# KiCad board teensy_arena_12-12.kicad_pcb (continued)
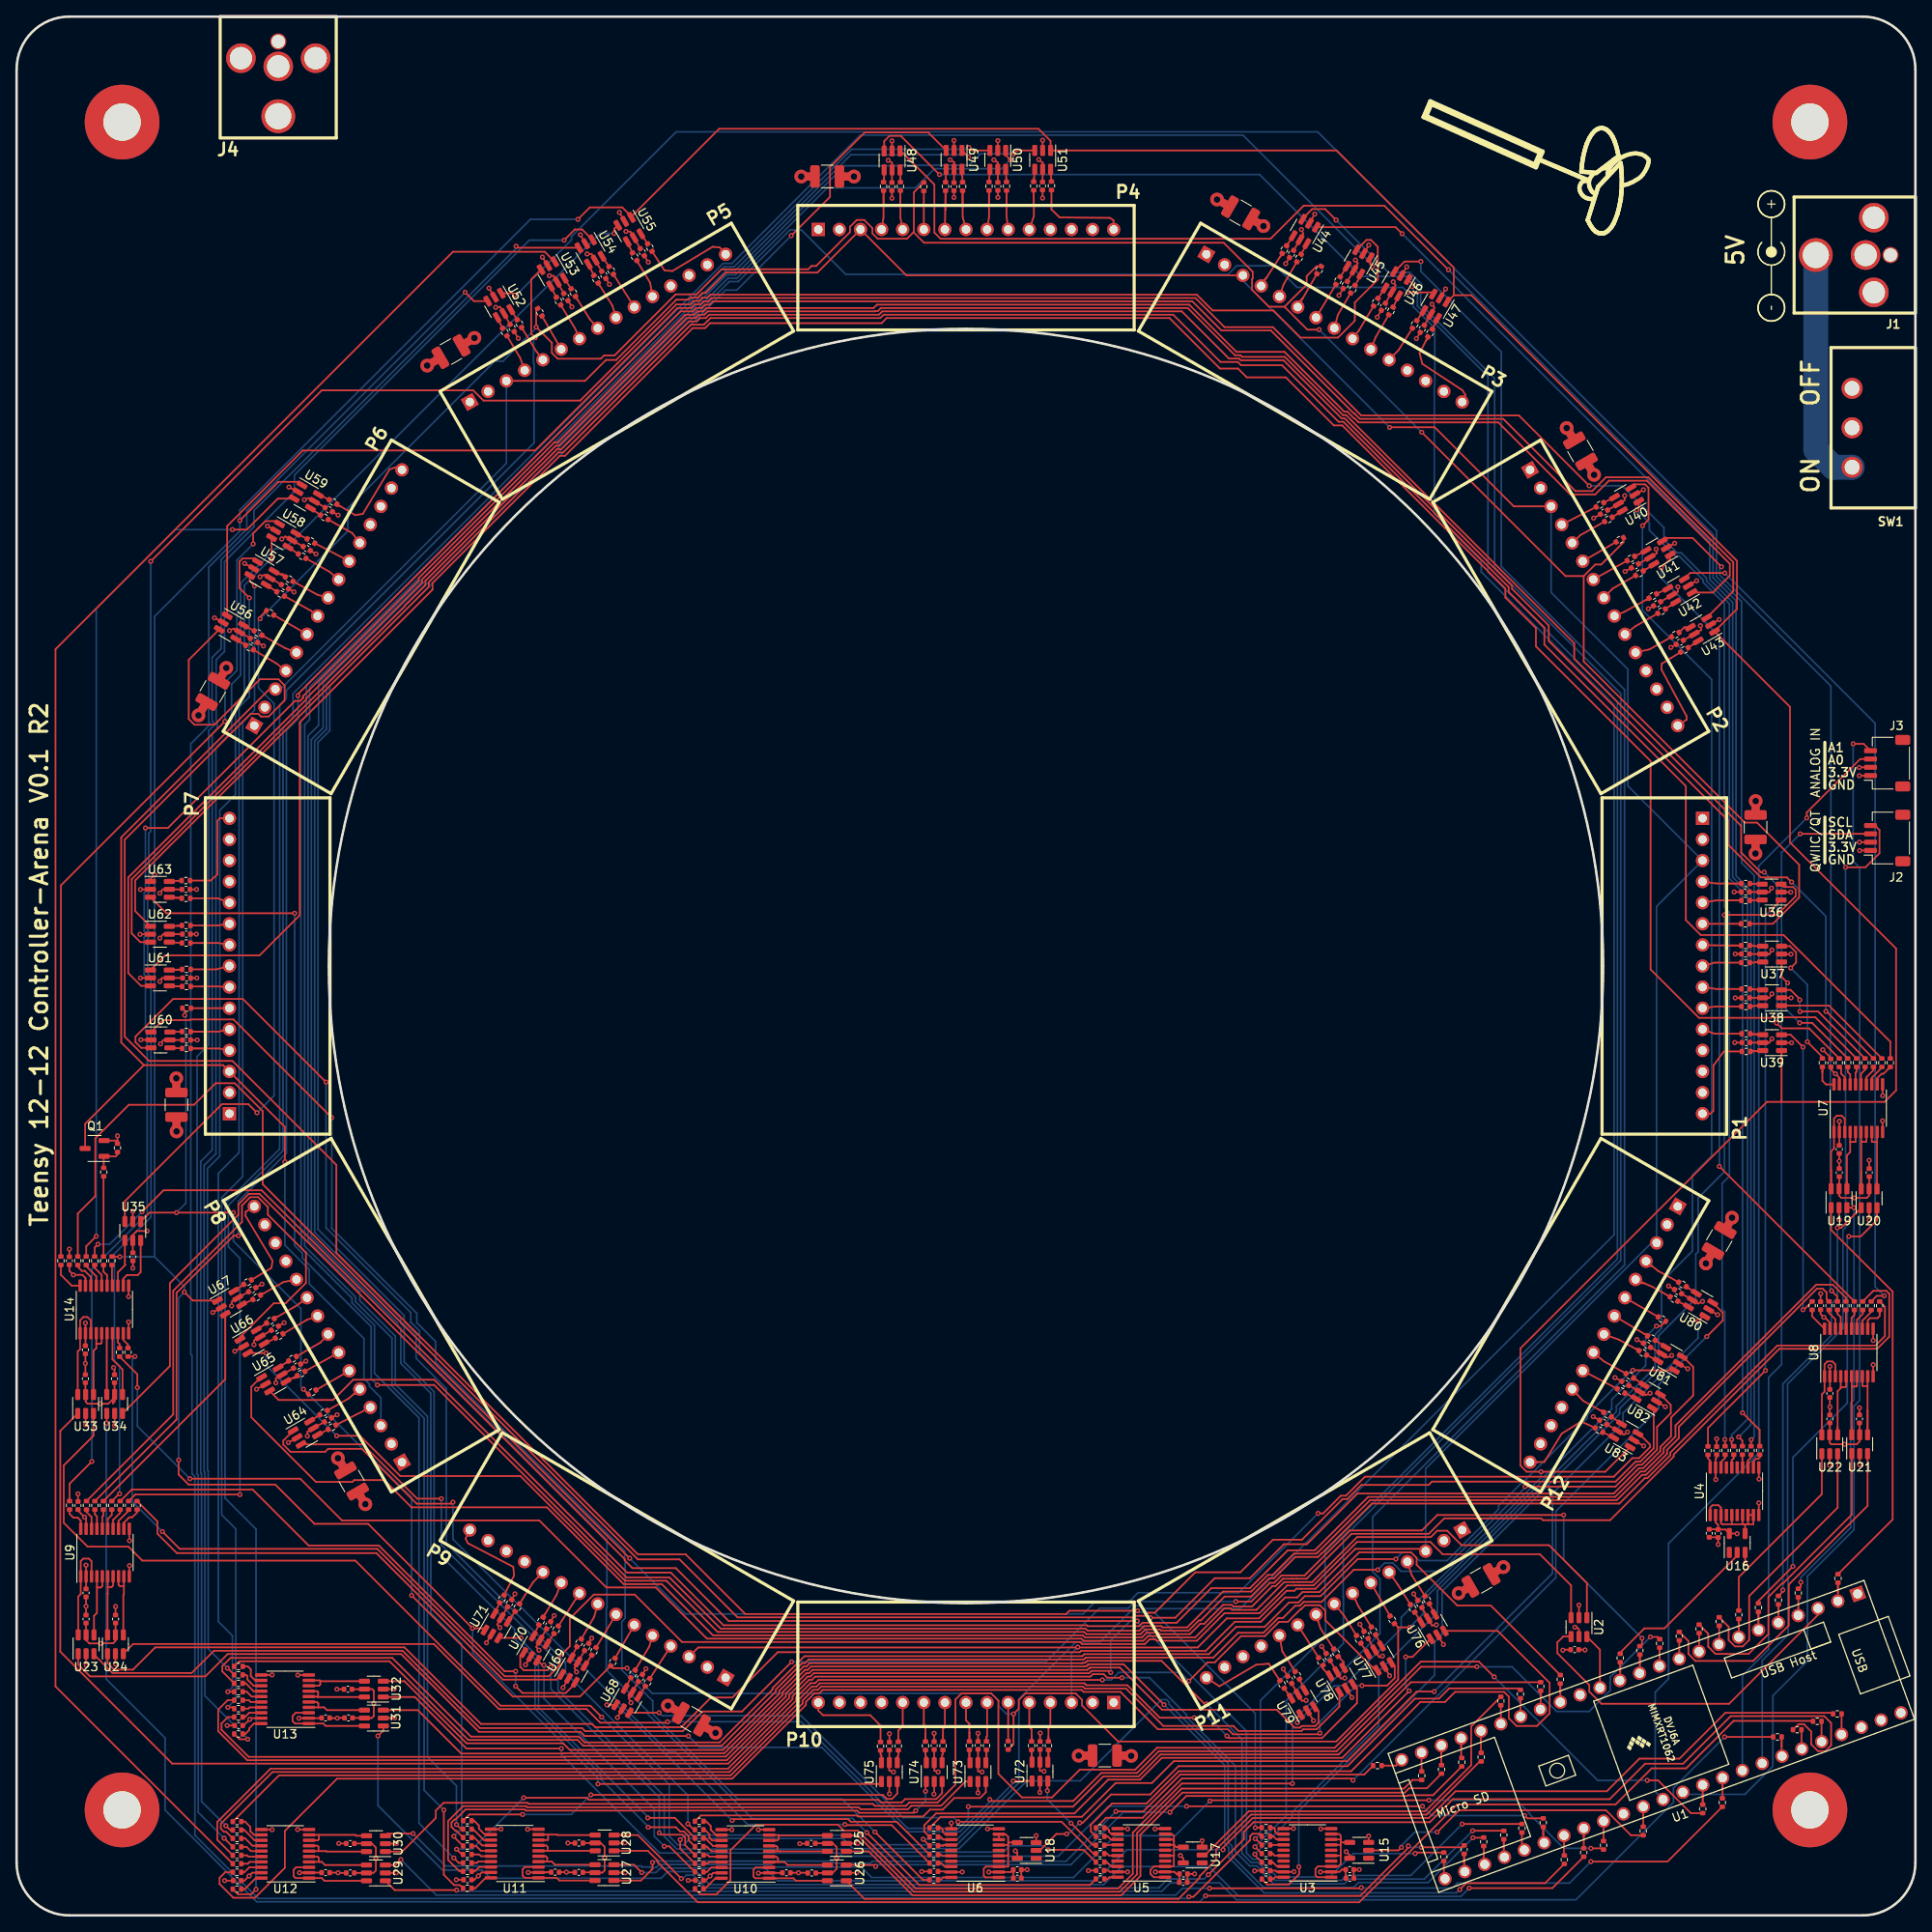
[diagram p0: board, top side]
## Placement (name value [footprint] x y rotation side) (continued)
R217  33  [R_0402_1005Metric]  196.81 69.51 330 top
R218  33  [R_0402_1005Metric]  195.78 67.72 330 top
R219  33  [R_0402_1005Metric]  194.22 64.96 330 top
R220  33  [R_0402_1005Metric]  193.16 63.14 330 top
R221  33  [R_0402_1005Metric]  191.55 60.29 330 top
R222  33  [R_0402_1005Metric]  190.5 58.43 330 top
R223  33  [R_0402_1005Metric]  208.13 119.38 0 top
R224  33  [R_0402_1005Metric]  193.02 165.61 30 top
R225  33  [R_0402_1005Metric]  156.81 198.1 60 top
R226  33  [R_0402_1005Metric]  109.22 208.13 90 top
R227  33  [R_0402_1005Metric]  62.99 193.02 120 top
R228  33  [R_0402_1005Metric]  30.5 156.81 150 top
R229  33  [R_0402_1005Metric]  20.47 109.22 180 top
R230  33  [R_0402_1005Metric]  35.58 62.99 210 top
R231  33  [R_0402_1005Metric]  71.79 30.5 240 top
R232  33  [R_0402_1005Metric]  119.38 20.47 270 top
R233  33  [R_0402_1005Metric]  165.61 35.58 300 top
R234  33  [R_0402_1005Metric]  198.1 71.79 330 top
SW1  SW_SPDT  [slide_switch]  223.52 179.1 90 top
U1  Teensy4.1  [Teensy41_outer_only]  196.81 21.55 200 top
U2  74LVC2G17  [SOT-23-6]  188.1 34.7 270 top
U3  TXB0108PW  [TSSOP-20_4.4x6.5mm_P0.65mm]  155.4 7.52 180 top
U4  TXB0108PW  [TSSOP-20_4.4x6.5mm_P0.65mm]  206.82 51.06 90 top
U5  TXB0108PW  [TSSOP-20_4.4x6.5mm_P0.65mm]  135.41 7.52 180 top
U6  TXB0108PW  [TSSOP-20_4.4x6.5mm_P0.65mm]  115.39 7.5 180 top
U7  TXB0108PW  [TSSOP-20_4.4x6.5mm_P0.65mm]  221.72 97.18 90 top
U8  TXB0108PW  [TSSOP-20_4.4x6.5mm_P0.65mm]  220.59 67.77 90 top
U9  TXB0108PW  [TSSOP-20_4.4x6.5mm_P0.65mm]  10.64 43.68 90 top
U10  TXB0108PW  [TSSOP-20_4.4x6.5mm_P0.65mm]  87.74 7.4 180 top
U11  TXB0108PW  [TSSOP-20_4.4x6.5mm_P0.65mm]  59.97 7.45 180 top
U12  TXB0108PW  [TSSOP-20_4.4x6.5mm_P0.65mm]  32.34 7.41 180 top
U13  TXB0108PW  [TSSOP-20_4.4x6.5mm_P0.65mm]  32.31 26.02 180 top
U14  TXB0108PW  [TSSOP-20_4.4x6.5mm_P0.65mm]  10.57 72.95 90 top
U15  74LVC1G17  [SOT-23-5]  161.63 7.83 180 top
U16  74LVC1G17  [SOT-23-5]  207.15 44.84 90 top
U17  74LVC1G17  [SOT-23-5]  141.59 7.27 180 top
U18  74LVC1G17  [SOT-23-5]  121.61 7.82 180 top
U19  74LVC2G17  [SOT-23-6]  219.4 86.34 90 top
U20  74LVC2G17  [SOT-23-6]  223.03 86.33 90 top
U21  74LVC2G17  [SOT-23-6]  221.89 56.73 90 top
U22  74LVC2G17  [SOT-23-6]  218.29 56.71 90 top
U23  74LVC2G17  [SOT-23-6]  8.37 32.63 90 top
U24  74LVC2G17  [SOT-23-6]  11.9 32.63 90 top
U25  74LVC2G17  [SOT-23-6]  98.76 8.66 180 top
U26  74LVC2G17  [SOT-23-6]  98.75 5.12 180 top
U27  74LVC2G17  [SOT-23-6]  70.77 5.15 180 top
U28  74LVC2G17  [SOT-23-6]  70.8 8.72 180 top
U29  74LVC2G17  [SOT-23-6]  43.26 5.12 180 top
U30  74LVC2G17  [SOT-23-6]  43.27 8.64 180 top
U31  74LVC2G17  [SOT-23-6]  43.01 23.76 180 top
U32  74LVC2G17  [SOT-23-6]  43.01 27.24 180 top
U33  74LVC2G17  [SOT-23-6]  8.31 61.57 90 top
U34  74LVC2G17  [SOT-23-6]  11.8 61.57 90 top
U35  74LVC2G17  [SOT-23-6]  13.99 82.4 270 top
U36  74LVC2G17  [SOT-23-6]  211.28 123.2 180 top
U37  74LVC2G17  [SOT-23-6]  211.35 115.74 180 top
U38  74LVC2G17  [SOT-23-6]  211.35 110.47 180 top
U39  74LVC2G17  [SOT-23-6]  211.35 105.07 180 top
U40  74LVC2G17  [SOT-23-6]  193.84 170.5 210 top
U41  74LVC2G17  [SOT-23-6]  197.63 164.07 210 top
U42  74LVC2G17  [SOT-23-6]  200.26 159.51 210 top
U43  74LVC2G17  [SOT-23-6]  202.96 154.83 210 top
U44  74LVC2G17  [SOT-23-6]  155.08 202.74 240 top
U45  74LVC2G17  [SOT-23-6]  161.58 199.07 240 top
U46  74LVC2G17  [SOT-23-6]  166.14 196.44 240 top
U47  74LVC2G17  [SOT-23-6]  170.82 193.73 240 top
U48  74LVC2G17  [SOT-23-6]  105.4 211.28 270 top
U49  74LVC2G17  [SOT-23-6]  112.86 211.35 270 top
U50  74LVC2G17  [SOT-23-6]  118.13 211.35 270 top
U51  74LVC2G17  [SOT-23-6]  123.53 211.35 270 top
U52  74LVC2G17  [SOT-23-6]  58.1 193.84 300 top
U53  74LVC2G17  [SOT-23-6]  64.53 197.63 300 top
U54  74LVC2G17  [SOT-23-6]  69.09 200.26 300 top
U55  74LVC2G17  [SOT-23-6]  73.77 202.96 300 top
U56  74LVC2G17  [SOT-23-6]  25.86 155.08 330 top
U57  74LVC2G17  [SOT-23-6]  29.53 161.58 330 top
U58  74LVC2G17  [SOT-23-6]  32.16 166.14 330 top
U59  74LVC2G17  [SOT-23-6]  34.87 170.82 330 top
U60  74LVC2G17  [SOT-23-6]  17.32 105.4 0 top
U61  74LVC2G17  [SOT-23-6]  17.25 112.86 0 top
U62  74LVC2G17  [SOT-23-6]  17.25 118.13 0 top
U63  74LVC2G17  [SOT-23-6]  17.25 123.53 0 top
U64  74LVC2G17  [SOT-23-6]  34.76 58.1 30 top
U65  74LVC2G17  [SOT-23-6]  30.97 64.53 30 top
U66  74LVC2G17  [SOT-23-6]  28.34 69.09 30 top
U67  74LVC2G17  [SOT-23-6]  25.64 73.77 30 top
U68  74LVC2G17  [SOT-23-6]  73.52 25.86 60 top
U69  74LVC2G17  [SOT-23-6]  67.02 29.53 60 top
U70  74LVC2G17  [SOT-23-6]  62.46 32.16 60 top
U71  74LVC2G17  [SOT-23-6]  57.78 34.87 60 top
U72  74LVC2G17  [SOT-23-6]  123.2 17.32 90 top
U73  74LVC2G17  [SOT-23-6]  115.74 17.25 90 top
U74  74LVC2G17  [SOT-23-6]  110.47 17.25 90 top
U75  74LVC2G17  [SOT-23-6]  105.07 17.25 90 top
U76  74LVC2G17  [SOT-23-6]  170.5 34.76 120 top
U77  74LVC2G17  [SOT-23-6]  164.07 30.97 120 top
U78  74LVC2G17  [SOT-23-6]  159.51 28.34 120 top
U79  74LVC2G17  [SOT-23-6]  154.83 25.64 120 top
U80  74LVC2G17  [SOT-23-6]  202.74 73.52 150 top
U81  74LVC2G17  [SOT-23-6]  199.07 67.02 150 top
U82  74LVC2G17  [SOT-23-6]  196.44 62.46 150 top
U83  74LVC2G17  [SOT-23-6]  193.73 57.78 150 top

## Library data of the parts
C1 = -: Description: Unpolarized capacitor; ki_fp_filters: C_*
C2-C106 = -: ki_fp_filters: C_*
H1-H4 = -: ki_fp_filters: MountingHole*Pad*
J1 J4 = -: ki_fp_filters: BarrelJack*
J2 J3 = -: ki_fp_filters: Connector*:*_1x??_*
R1 R2 = -: ki_fp_filters: R_*
R3-R234 = -: Description: Resistor; ki_fp_filters: R_*
U2 U19-U83 = -: Datasheet: http://www.ti.com/lit/sg/scyt129e/scyt129e.pdf; Description: Dual Buffer Schmitt Triggered, Low-Voltage CMOS; ki_fp_filters: SG-* SOT*
U15-U18 = -: Datasheet: https://www.ti.com/lit/ds/symlink/sn74lvc1g17.pdf; Description: Single Schmitt Buffer Gate, Low-Voltage CMOS; ki_fp_filters: SOT?23* Texas?R-PDSO-G5?DCK* Texas?R-PDSO-N5?DRL* Texas?X2SON*0.8x0.8mm*P0.48mm*

## Footprints (pads in the part's own frame, mm; a bottom-side part is the same pattern mirrored in y, then rotated)
C_0402_1005Metric
  rrect 0.56x0.62 smd: 1(-0.48,0) 2(0.48,0)
C_1210_3225Metric
  rrect 1.15x2.7 smd: 1(-1.475,0) 2(1.475,0)
DCJACK_2PIN_HIGHCURRENT
  round 3.556 hole 2.692: (-4.496,-5.004) (4.496,-5.004) 2(0,-5.994)
  round 1.93 hole 1.6: (0,-2.997)
  round 4.064 hole 3.15: 1(0,-11.989)
HEADER_TOP
  rect 1.6x1.6 hole 1.016: 1(-17.78,0)
  round 1.6 hole 1.016: 2(-15.24,0) 3(-12.7,0) 4(-10.16,0) 5(-7.62,0) 6(-5.08,0) 7(-2.54,0) 8(0,0) 9(2.54,0) 10(5.08,0) 11(7.62,0) 12(10.16,0) 13(12.7,0) 14(15.24,0) 15(17.78,0)
JST_SH_SM04B-SRSS-TB_1x04-1MP_P1.00mm_Horizontal
  rrect 0.6x1.55 smd: 1(-1.5,2) 2(-0.5,2) 3(0.5,2) 4(1.5,2)
  rrect 1.2x1.8 smd: MP(-2.8,-1.875) MP(2.8,-1.875)
MountingHole_4.5mm_Pad
  round 9 hole 4.5: 1(0,0)
R_0402_1005Metric
  rrect 0.54x0.64 smd: 1(-0.51,0) 2(0.51,0)
slide_switch
  round 2.54 hole 1.778: 1(-4.75,2.54) 2(0,2.54) 3(4.75,2.54)
SOT-23-3
  rrect 1.325x0.6 smd: 1(-1.137,0.95) 2(-1.137,-0.95) 3(1.137,0)
SOT-23-5
  rrect 1.325x0.6 smd: 1(-1.137,0.95) 2(-1.137,0) 3(-1.137,-0.95) 4(1.137,-0.95) 5(1.137,0.95)
SOT-23-6
  rrect 1.325x0.6 smd: 1(-1.137,0.95) 2(-1.137,0) 3(-1.137,-0.95) 4(1.137,-0.95) 5(1.137,0) 6(1.137,0.95)
Teensy41_outer_only
  rect 1.6x1.6 hole 1.1: 1(-29.21,-7.62)
  round 1.6 hole 1.1: 2(-26.67,-7.62) 3(-24.13,-7.62) 4(-21.59,-7.62) 5(-19.05,-7.62) 6(-16.51,-7.62) 7(-13.97,-7.62) 8(-11.43,-7.62) 9(-8.89,-7.62) 10(-6.35,-7.62) 11(-3.81,-7.62) 12(-1.27,-7.62) 13(1.27,-7.62) 14(3.81,-7.62) 15(6.35,-7.62) 16(8.89,-7.62) 17(11.43,-7.62) 18(13.97,-7.62) 19(16.51,-7.62) 20(19.05,-7.62) 21(21.59,-7.62) 22(24.13,-7.62) 23(26.67,-7.62) 24(29.21,-7.62) 25(29.21,7.62) 26(26.67,7.62) 27(24.13,7.62) 28(21.59,7.62) 29(19.05,7.62) 30(16.51,7.62) 31(13.97,7.62) 32(11.43,7.62) 33(8.89,7.62) 34(6.35,7.62) 35(3.81,7.62) 36(1.27,7.62) 37(-1.27,7.62) 38(-3.81,7.62) 39(-6.35,7.62) 40(-8.89,7.62) 41(-11.43,7.62) 42(-13.97,7.62) 43(-16.51,7.62) 44(-19.05,7.62) 45(-21.59,7.62) 46(-24.13,7.62) 47(-26.67,7.62) 48(-29.21,7.62)
TSSOP-20_4.4x6.5mm_P0.65mm
  rrect 1.475x0.4 smd: 1(-2.862,2.925) 2(-2.862,2.275) 3(-2.862,1.625) 4(-2.862,0.975) 5(-2.862,0.325) 6(-2.862,-0.325) 7(-2.862,-0.975) 8(-2.862,-1.625) 9(-2.862,-2.275) 10(-2.862,-2.925) 11(2.862,-2.925) 12(2.862,-2.275) 13(2.862,-1.625) 14(2.862,-0.975) 15(2.862,-0.325) 16(2.862,0.325) 17(2.862,0.975) 18(2.862,1.625) 19(2.862,2.275) 20(2.862,2.925)

## Nets
+3.3V: C1.1 C2.1 C4.1 C6.1 C8.1 C10.1 C12.1 C14.1 C16.1 C18.1 C20.1 C22.1 C24.1 C26.1 C27.1 C28.1 C29.1 C30.1 C31.1 C32.1 C33.1 C34.1 C35.1 C36.1 C37.1 C38.1 C39.1 C40.1 C41.1 C42.1 C43.1 C44.1 C45.1 C46.1 J2.2 J3.2 U1.15 U1.46 U2.5 U3.2 U3.10 U4.2 U4.10 U5.2 U5.10 U6.2 U6.10 U7.2 U7.10 U8.2 U8.10 U9.2 U9.10 U10.2 U10.10 U11.2 U11.10 U12.2 U12.10 U13.2 U13.10 U14.2 U14.10 U15.5 U16.5 U17.5 U18.5 U19.5 U20.5 U21.5 U22.5 U23.5 U24.5 U25.5 U26.5 U27.5 U28.5 U29.5 U30.5 U31.5 U32.5 U33.5 U34.5 U35.5
+5V: C3.1 C5.1 C7.1 C9.1 C11.1 C13.1 C15.1 C17.1 C19.1 C21.1 C23.1 C25.1 C47.1 C48.1 C49.1 C50.1 C51.1 C52.1 C53.1 C54.1 C55.1 C56.1 C57.1 C58.1 C59.1 C60.1 C61.1 C62.1 C63.1 C64.1 C65.1 C66.1 C67.1 C68.1 C69.1 C70.1 C71.1 C72.1 C73.1 C74.1 C75.1 C76.1 C77.1 C78.1 C79.1 C80.1 C81.1 C82.1 C83.1 C84.1 C85.1 C86.1 C87.1 C88.1 C89.1 C90.1 C91.1 C92.1 C93.1 C94.1 C95.1 C96.1 C97.1 C98.1 C99.1 C100.1 C101.1 C102.1 C103.1 C104.1 C105.1 C106.1 J4.1 P1.1 P2.1 P3.1 P4.1 P5.1 P6.1 P7.1 P8.1 P9.1 P10.1 P11.1 P12.1 SW1.2 U3.19 U4.19 U5.19 U6.19 U7.19 U8.19 U9.19 U10.19 U11.19 U12.19 U13.19 U14.19 U36.5 U37.5 U38.5 U39.5 U40.5 U41.5 U42.5 U43.5 U44.5 U45.5 U46.5 U47.5 U48.5 U49.5 U50.5 U51.5 U52.5 U53.5 U54.5 U55.5 U56.5 U57.5 U58.5 U59.5 U60.5 U61.5 U62.5 U63.5 U64.5 U65.5 U66.5 U67.5 U68.5 U69.5 U70.5 U71.5 U72.5 U73.5 U74.5 U75.5 U76.5 U77.5 U78.5 U79.5 U80.5 U81.5 U82.5 U83.5
GND: C1.2 C2.2 C3.2 C4.2 C5.2 C6.2 C7.2 C8.2 C9.2 C10.2 C11.2 C12.2 C13.2 C14.2 C15.2 C16.2 C17.2 C18.2 C19.2 C20.2 C21.2 C22.2 C23.2 C24.2 C25.2 C26.2 C27.2 C28.2 C29.2 C30.2 C31.2 C32.2 C33.2 C34.2 C35.2 C36.2 C37.2 C38.2 C39.2 C40.2 C41.2 C42.2 C43.2 C44.2 C45.2 C46.2 C47.2 C48.2 C49.2 C50.2 C51.2 C52.2 C53.2 C54.2 C55.2 C56.2 C57.2 C58.2 C59.2 C60.2 C61.2 C62.2 C63.2 C64.2 C65.2 C66.2 C67.2 C68.2 C69.2 C70.2 C71.2 C72.2 C73.2 C74.2 C75.2 C76.2 C77.2 C78.2 C79.2 C80.2 C81.2 C82.2 C83.2 C84.2 C85.2 C86.2 C87.2 C88.2 C89.2 C90.2 C91.2 C92.2 C93.2 C94.2 C95.2 C96.2 C97.2 C98.2 C99.2 C100.2 C101.2 C102.2 C103.2 C104.2 C105.2 C106.2 H1.1 H2.1 H3.1 H4.1 J1.2 J2.1 J3.1 J4.2 P1.2 P2.2 P3.2 P4.2 P5.2 P6.2 P7.2 P8.2 P9.2 P10.2 P11.2 P12.2 Q1.2 R2.1 SW1.3 U1.1 U1.34 U1.47 U2.2 U3.11 U4.11 U5.11 U6.11 U7.11 U8.11 U9.11 U10.11 U11.11 U12.11 U13.11 U14.11 U15.3 U16.3 U17.3 U18.3 U19.2 U20.2 U21.2 U22.2 U23.2 U24.2 U25.2 U26.2 U27.2 U28.2 U29.2 U30.2 U31.2 U32.2 U33.2 U34.2 U35.2 U36.2 U37.2 U38.2 U39.2 U40.2 U41.2 U42.2 U43.2 U44.2 U45.2 U46.2 U47.2 U48.2 U49.2 U50.2 U51.2 U52.2 U53.2 U54.2 U55.2 U56.2 U57.2 U58.2 U59.2 U60.2 U61.2 U62.2 U63.2 U64.2 U65.2 U66.2 U67.2 U68.2 U69.2 U70.2 U71.2 U72.2 U73.2 U74.2 U75.2 U76.2 U77.2 U78.2 U79.2 U80.2 U81.2 U82.2 U83.2
/Level Shifters/PAN3V.CS_00: R8.2 U19.1
/Level Shifters/PAN3V.CS_01: R9.2 U19.3
/Level Shifters/PAN3V.CS_02: R10.2 U20.1
/Level Shifters/PAN3V.CS_03: R11.2 U20.3
/Level Shifters/PAN3V.CS_04: R12.2 U22.1
/Level Shifters/PAN3V.CS_05: R13.2 U22.3
/Level Shifters/PAN3V.CS_06: R14.2 U21.1
/Level Shifters/PAN3V.CS_07: R15.2 U21.3
/Level Shifters/PAN3V.CS_08: R16.2 U23.1
/Level Shifters/PAN3V.CS_09: R17.2 U23.3
/Level Shifters/PAN3V.CS_10: R18.2 U24.1
/Level Shifters/PAN3V.CS_11: R19.2 U24.3
/Level Shifters/PAN3V.CS_12: R20.2 U26.1
/Level Shifters/PAN3V.CS_13: R21.2 U26.3
/Level Shifters/PAN3V.CS_14: R22.2 U25.1
/Level Shifters/PAN3V.CS_15: R23.2 U25.3
/Level Shifters/PAN3V.CS_16: R24.2 U27.1
/Level Shifters/PAN3V.CS_17: R25.2 U27.3
/Level Shifters/PAN3V.CS_18: R26.2 U28.1
/Level Shifters/PAN3V.CS_19: R27.2 U28.3
/Level Shifters/PAN3V.CS_20: R28.2 U29.1
/Level Shifters/PAN3V.CS_21: R29.2 U29.3
/Level Shifters/PAN3V.CS_22: R30.2 U30.1
/Level Shifters/PAN3V.CS_23: R31.2 U30.3
/Level Shifters/PAN3V.CS_24: R32.2 U31.1
/Level Shifters/PAN3V.CS_25: R33.2 U31.3
/Level Shifters/PAN3V.CS_26: R34.2 U32.1
/Level Shifters/PAN3V.CS_27: R35.2 U32.3
/Level Shifters/PAN3V.CS_28: R36.2 U33.1
/Level Shifters/PAN3V.CS_29: R37.2 U33.3
/Level Shifters/PAN3V.EXT_INT: R38.2 U34.3
/Level Shifters/PAN3V.MISO_0: R125.1 U2.1
/Level Shifters/PAN3V.MISO_1: R126.1 U2.3
/Level Shifters/PAN3V.MOSI_0: R5.2 U16.2
/Level Shifters/PAN3V.MOSI_1: R7.2 U18.2
/Level Shifters/PAN3V.RESET: R3.2 U34.1
/Level Shifters/PAN3V.SCK_0: R4.2 U15.2
/Level Shifters/PAN3V.SCK_1: R6.2 U17.2
/Level Shifters/PAN5V.CS_00_P1: R69.1 U37.3
/Level Shifters/PAN5V.CS_00_P7: R63.1 U61.3
/Level Shifters/PAN5V.CS_01_P1: R64.1 U37.1
/Level Shifters/PAN5V.CS_01_P7: R65.1 U61.1
/Level Shifters/PAN5V.CS_02_P1: R66.1 U38.3
/Level Shifters/PAN5V.CS_02_P7: R67.1 U62.3
/Level Shifters/PAN5V.CS_03_P1: R68.1 U38.1
/Level Shifters/PAN5V.CS_03_P7: R70.1 U62.1
/Level Shifters/PAN5V.CS_04_P1: R71.1 U39.3
/Level Shifters/PAN5V.CS_04_P7: R72.1 U63.3
/Level Shifters/PAN5V.CS_05_P2: R73.1 U41.3
/Level Shifters/PAN5V.CS_05_P8: R74.1 U65.3
/Level Shifters/PAN5V.CS_06_P2: R75.1 U41.1
/Level Shifters/PAN5V.CS_06_P8: R76.1 U65.1
/Level Shifters/PAN5V.CS_07_P2: R77.1 U42.3
/Level Shifters/PAN5V.CS_07_P8: R78.1 U66.3
/Level Shifters/PAN5V.CS_08_P2: R79.1 U42.1
/Level Shifters/PAN5V.CS_08_P8: R80.1 U66.1
/Level Shifters/PAN5V.CS_09_P2: R81.1 U43.3
/Level Shifters/PAN5V.CS_09_P8: R82.1 U67.3
/Level Shifters/PAN5V.CS_10_P3: R83.1 U45.3
/Level Shifters/PAN5V.CS_10_P9: R84.1 U69.3
/Level Shifters/PAN5V.CS_11_P3: R85.1 U45.1
/Level Shifters/PAN5V.CS_11_P9: R86.1 U69.1
/Level Shifters/PAN5V.CS_12_P3: R87.1 U46.3
/Level Shifters/PAN5V.CS_12_P9: R88.1 U70.3
/Level Shifters/PAN5V.CS_13_P3: R89.1 U46.1
/Level Shifters/PAN5V.CS_13_P9: R90.1 U70.1
/Level Shifters/PAN5V.CS_14_P3: R91.1 U47.3
/Level Shifters/PAN5V.CS_14_P9: R92.1 U71.3
/Level Shifters/PAN5V.CS_15_P4: R93.1 U49.3
/Level Shifters/PAN5V.CS_15_P10: R94.1 U73.3
/Level Shifters/PAN5V.CS_16_P4: R95.1 U49.1
/Level Shifters/PAN5V.CS_16_P10: R96.1 U73.1
/Level Shifters/PAN5V.CS_17_P4: R97.1 U50.3
/Level Shifters/PAN5V.CS_17_P10: R98.1 U74.3
/Level Shifters/PAN5V.CS_18_P4: R99.1 U50.1
/Level Shifters/PAN5V.CS_18_P10: R100.1 U74.1
/Level Shifters/PAN5V.CS_19_P4: R101.1 U51.3
/Level Shifters/PAN5V.CS_19_P10: R102.1 U75.3
/Level Shifters/PAN5V.CS_20_P5: R103.1 U53.3
/Level Shifters/PAN5V.CS_20_P11: R104.1 U77.3
/Level Shifters/PAN5V.CS_21_P5: R105.1 U53.1
/Level Shifters/PAN5V.CS_21_P11: R106.1 U77.1
/Level Shifters/PAN5V.CS_22_P5: R107.1 U54.3
/Level Shifters/PAN5V.CS_22_P11: R108.1 U78.3
/Level Shifters/PAN5V.CS_23_P5: R109.1 U54.1
/Level Shifters/PAN5V.CS_23_P11: R110.1 U78.1
/Level Shifters/PAN5V.CS_24_P5: R111.1 U55.3
/Level Shifters/PAN5V.CS_24_P11: R112.1 U79.3
/Level Shifters/PAN5V.CS_25_P6: R113.1 U57.3
/Level Shifters/PAN5V.CS_25_P12: R114.1 U81.3
/Level Shifters/PAN5V.CS_26_P6: R115.1 U57.1
/Level Shifters/PAN5V.CS_26_P12: R116.1 U81.1
/Level Shifters/PAN5V.CS_27_P6: R117.1 U58.3
/Level Shifters/PAN5V.CS_27_P12: R118.1 U82.3
/Level Shifters/PAN5V.CS_28_P6: R119.1 U58.1
/Level Shifters/PAN5V.CS_28_P12: R120.1 U82.1
/Level Shifters/PAN5V.CS_29_P6: R121.1 U59.3
/Level Shifters/PAN5V.CS_29_P12: R122.1 U83.3
/Level Shifters/PAN5V.EXT_INT: R124.1 U39.1 U43.1 U47.1 U51.1 U55.1 U59.1 U63.1 U67.1 U71.1 U75.1 U79.1 U83.1
/Level Shifters/PAN5V.MISO_0: R223.2 R224.2 R225.2 R226.2 R227.2 R228.2 U35.3
/Level Shifters/PAN5V.MISO_1: R229.2 R230.2 R231.2 R232.2 R233.2 R234.2 U35.1
/Level Shifters/PAN5V.MOSI_0_P1: R45.1 U36.1
/Level Shifters/PAN5V.MOSI_0_P2: R46.1 U40.1
/Level Shifters/PAN5V.MOSI_0_P3: R47.1 U44.1
/Level Shifters/PAN5V.MOSI_0_P4: R48.1 U48.1
/Level Shifters/PAN5V.MOSI_0_P5: R49.1 U52.1
/Level Shifters/PAN5V.MOSI_0_P6: R50.1 U56.1
/Level Shifters/PAN5V.MOSI_1_P7: R57.1 U60.1
/Level Shifters/PAN5V.MOSI_1_P8: R58.1 U64.1
/Level Shifters/PAN5V.MOSI_1_P9: R59.1 U68.1
/Level Shifters/PAN5V.MOSI_1_P10: R60.1 U72.1
/Level Shifters/PAN5V.MOSI_1_P11: R61.1 U76.1
/Level Shifters/PAN5V.MOSI_1_P12: R62.1 U80.1
/Level Shifters/PAN5V.RESET: R1.2 R123.1
/Level Shifters/PAN5V.SCK_0_P1: R39.1 U36.3
/Level Shifters/PAN5V.SCK_0_P2: R40.1 U40.3
/Level Shifters/PAN5V.SCK_0_P3: R41.1 U44.3
/Level Shifters/PAN5V.SCK_0_P4: R42.1 U48.3
/Level Shifters/PAN5V.SCK_0_P5: R43.1 U52.3
/Level Shifters/PAN5V.SCK_0_P6: R44.1 U56.3
/Level Shifters/PAN5V.SCK_1_P7: R51.1 U60.3
/Level Shifters/PAN5V.SCK_1_P8: R52.1 U64.3
/Level Shifters/PAN5V.SCK_1_P9: R53.1 U68.3
/Level Shifters/PAN5V.SCK_1_P10: R54.1 U72.3
/Level Shifters/PAN5V.SCK_1_P11: R55.1 U76.3
/Level Shifters/PAN5V.SCK_1_P12: R56.1 U80.3
/Panel Headers/HDR_CS_00_P1: P1.7 R129.1
/Panel Headers/HDR_CS_00_P7: P7.7 R177.1
/Panel Headers/HDR_CS_01_P1: P1.8 R130.1
/Panel Headers/HDR_CS_01_P7: P7.8 R178.1
/Panel Headers/HDR_CS_02_P1: P1.9 R131.1
/Panel Headers/HDR_CS_02_P7: P7.9 R179.1
/Panel Headers/HDR_CS_03_P1: P1.10 R132.1
/Panel Headers/HDR_CS_03_P7: P7.10 R180.1
/Panel Headers/HDR_CS_04_P1: P1.11 R133.1
/Panel Headers/HDR_CS_04_P7: P7.11 R181.1
/Panel Headers/HDR_CS_05_P2: P2.7 R137.1
/Panel Headers/HDR_CS_05_P8: P8.7 R185.1
/Panel Headers/HDR_CS_06_P2: P2.8 R138.1
/Panel Headers/HDR_CS_06_P8: P8.8 R186.1
/Panel Headers/HDR_CS_07_P2: P2.9 R139.1
/Panel Headers/HDR_CS_07_P8: P8.9 R187.1
/Panel Headers/HDR_CS_08_P2: P2.10 R140.1
/Panel Headers/HDR_CS_08_P8: P8.10 R188.1
/Panel Headers/HDR_CS_09_P2: P2.11 R141.1
/Panel Headers/HDR_CS_09_P8: P8.11 R189.1
/Panel Headers/HDR_CS_10_P3: P3.7 R145.1
/Panel Headers/HDR_CS_10_P9: P9.7 R193.1
/Panel Headers/HDR_CS_11_P3: P3.8 R146.1
/Panel Headers/HDR_CS_11_P9: P9.8 R194.1
/Panel Headers/HDR_CS_12_P3: P3.9 R147.1
/Panel Headers/HDR_CS_12_P9: P9.9 R195.1
/Panel Headers/HDR_CS_13_P3: P3.10 R148.1
/Panel Headers/HDR_CS_13_P9: P9.10 R196.1
/Panel Headers/HDR_CS_14_P3: P3.11 R149.1
/Panel Headers/HDR_CS_14_P9: P9.11 R197.1
/Panel Headers/HDR_CS_15_P4: P4.7 R153.1
/Panel Headers/HDR_CS_15_P10: P10.7 R201.1
/Panel Headers/HDR_CS_16_P4: P4.8 R154.1
/Panel Headers/HDR_CS_16_P10: P10.8 R202.1
/Panel Headers/HDR_CS_17_P4: P4.9 R155.1
/Panel Headers/HDR_CS_17_P10: P10.9 R203.1
/Panel Headers/HDR_CS_18_P4: P4.10 R156.1
/Panel Headers/HDR_CS_18_P10: P10.10 R204.1
/Panel Headers/HDR_CS_19_P4: P4.11 R157.1
/Panel Headers/HDR_CS_19_P10: P10.11 R205.1
/Panel Headers/HDR_CS_20_P5: P5.7 R161.1
/Panel Headers/HDR_CS_20_P11: P11.7 R209.1
/Panel Headers/HDR_CS_21_P5: P5.8 R162.1
/Panel Headers/HDR_CS_21_P11: P11.8 R210.1
/Panel Headers/HDR_CS_22_P5: P5.9 R163.1
/Panel Headers/HDR_CS_22_P11: P11.9 R211.1
/Panel Headers/HDR_CS_23_P5: P5.10 R164.1
/Panel Headers/HDR_CS_23_P11: P11.10 R212.1
/Panel Headers/HDR_CS_24_P5: P5.11 R165.1
/Panel Headers/HDR_CS_24_P11: P11.11 R213.1
/Panel Headers/HDR_CS_25_P6: P6.7 R169.1
/Panel Headers/HDR_CS_25_P12: P12.7 R217.1
/Panel Headers/HDR_CS_26_P6: P6.8 R170.1
/Panel Headers/HDR_CS_26_P12: P12.8 R218.1
/Panel Headers/HDR_CS_27_P6: P6.9 R171.1
/Panel Headers/HDR_CS_27_P12: P12.9 R219.1
/Panel Headers/HDR_CS_28_P6: P6.10 R172.1
/Panel Headers/HDR_CS_28_P12: P12.10 R220.1
/Panel Headers/HDR_CS_29_P6: P6.11 R173.1
/Panel Headers/HDR_CS_29_P12: P12.11 R221.1
/Panel Headers/HDR_EXT_INT_P1: P1.15 R134.1
/Panel Headers/HDR_EXT_INT_P2: P2.15 R142.1
/Panel Headers/HDR_EXT_INT_P3: P3.15 R150.1
/Panel Headers/HDR_EXT_INT_P4: P4.15 R158.1
/Panel Headers/HDR_EXT_INT_P5: P5.15 R166.1
/Panel Headers/HDR_EXT_INT_P6: P6.15 R174.1
/Panel Headers/HDR_EXT_INT_P7: P7.15 R182.1
/Panel Headers/HDR_EXT_INT_P8: P8.15 R190.1
/Panel Headers/HDR_EXT_INT_P9: P9.15 R198.1
/Panel Headers/HDR_EXT_INT_P10: P10.15 R206.1
/Panel Headers/HDR_EXT_INT_P11: P11.15 R214.1
/Panel Headers/HDR_EXT_INT_P12: P12.15 R222.1
/Panel Headers/HDR_MISO_0_P1: P1.6 R223.1
/Panel Headers/HDR_MISO_0_P2: P2.6 R224.1
/Panel Headers/HDR_MISO_0_P3: P3.6 R225.1
/Panel Headers/HDR_MISO_0_P4: P4.6 R226.1
/Panel Headers/HDR_MISO_0_P5: P5.6 R227.1
/Panel Headers/HDR_MISO_0_P6: P6.6 R228.1
/Panel Headers/HDR_MISO_1_P7: P7.6 R229.1
/Panel Headers/HDR_MISO_1_P8: P8.6 R230.1
/Panel Headers/HDR_MISO_1_P9: P9.6 R231.1
/Panel Headers/HDR_MISO_1_P10: P10.6 R232.1
/Panel Headers/HDR_MISO_1_P11: P11.6 R233.1
/Panel Headers/HDR_MISO_1_P12: P12.6 R234.1
/Panel Headers/HDR_MOSI_0_P1: P1.5 R128.1
/Panel Headers/HDR_MOSI_0_P2: P2.5 R136.1
/Panel Headers/HDR_MOSI_0_P3: P3.5 R144.1
/Panel Headers/HDR_MOSI_0_P4: P4.5 R152.1
/Panel Headers/HDR_MOSI_0_P5: P5.5 R160.1
/Panel Headers/HDR_MOSI_0_P6: P6.5 R168.1
/Panel Headers/HDR_MOSI_1_P7: P7.5 R176.1
/Panel Headers/HDR_MOSI_1_P8: P8.5 R184.1
/Panel Headers/HDR_MOSI_1_P9: P9.5 R192.1
/Panel Headers/HDR_MOSI_1_P10: P10.5 R200.1
/Panel Headers/HDR_MOSI_1_P11: P11.5 R208.1
/Panel Headers/HDR_MOSI_1_P12: P12.5 R216.1
/Panel Headers/HDR_RESET: P1.3 P2.3 P3.3 P4.3 P5.3 P6.3 P7.3 P8.3 P9.3 P10.3 P11.3 P12.3 Q1.3
/Panel Headers/HDR_SCK_0_P1: P1.4 R127.1
/Panel Headers/HDR_SCK_0_P2: P2.4 R135.1
/Panel Headers/HDR_SCK_0_P3: P3.4 R143.1
/Panel Headers/HDR_SCK_0_P4: P4.4 R151.1
/Panel Headers/HDR_SCK_0_P5: P5.4 R159.1
/Panel Headers/HDR_SCK_0_P6: P6.4 R167.1
/Panel Headers/HDR_SCK_1_P7: P7.4 R175.1
/Panel Headers/HDR_SCK_1_P8: P8.4 R183.1
/Panel Headers/HDR_SCK_1_P9: P9.4 R191.1
/Panel Headers/HDR_SCK_1_P10: P10.4 R199.1
/Panel Headers/HDR_SCK_1_P11: P11.4 R207.1
/Panel Headers/HDR_SCK_1_P12: P12.4 R215.1
/Power/SW_5V: J1.1 SW1.1
/Teensy/A0: J3.3 U1.36
/Teensy/A1: J3.4 U1.37
/Teensy/SCL: J2.4 U1.41
/Teensy/SDA: J2.3 U1.40
/Teensy/TNY_CS_00: R8.1 U1.2
/Teensy/TNY_CS_01: R9.1 U1.4
/Teensy/TNY_CS_02: R10.1 U1.5
/Teensy/TNY_CS_03: R11.1 U1.6
/Teensy/TNY_CS_04: R12.1 U1.7
/Teensy/TNY_CS_05: R13.1 U1.8
/Teensy/TNY_CS_06: R14.1 U1.9
/Teensy/TNY_CS_07: R15.1 U1.10
/Teensy/TNY_CS_08: R16.1 U1.11
/Teensy/TNY_CS_09: R17.1 U1.12
/Teensy/TNY_CS_10: R18.1 U1.16
/Teensy/TNY_CS_11: R19.1 U1.17
/Teensy/TNY_CS_12: R20.1 U1.20
/Teensy/TNY_CS_13: R21.1 U1.21
/Teensy/TNY_CS_14: R22.1 U1.22
/Teensy/TNY_CS_15: R23.1 U1.23
/Teensy/TNY_CS_16: R24.1 U1.24
/Teensy/TNY_CS_17: R25.1 U1.45
/Teensy/TNY_CS_18: R26.1 U1.44
/Teensy/TNY_CS_19: R27.1 U1.43
/Teensy/TNY_CS_20: R28.1 U1.42
/Teensy/TNY_CS_21: R29.1 U1.39
/Teensy/TNY_CS_22: R30.1 U1.38
/Teensy/TNY_CS_23: R31.1 U1.33
/Teensy/TNY_CS_24: R32.1 U1.32
/Teensy/TNY_CS_25: R33.1 U1.31
/Teensy/TNY_CS_26: R34.1 U1.30
/Teensy/TNY_CS_27: R35.1 U1.29
/Teensy/TNY_CS_28: R36.1 U1.28
/Teensy/TNY_CS_29: R37.1 U1.27
/Teensy/TNY_EXT_INT: R38.1 U1.25
/Teensy/TNY_MISO_0: U1.14 U2.6
/Teensy/TNY_MISO_1: U1.3 U2.4
/Teensy/TNY_MOSI_0: R5.1 U1.13
/Teensy/TNY_MOSI_1: R7.1 U1.18
/Teensy/TNY_RESET: R3.1 U1.26
/Teensy/TNY_SCK_0: R4.1 U1.35
/Teensy/TNY_SCK_1: R6.1 U1.19
Net-(Q1-G): Q1.1 R1.1 R2.2
Net-(R127-Pad2): R127.2 U36.4
Net-(R128-Pad2): R128.2 U36.6
Net-(R129-Pad2): R129.2 U37.4
Net-(R130-Pad2): R130.2 U37.6
Net-(R131-Pad2): R131.2 U38.4
Net-(R132-Pad2): R132.2 U38.6
Net-(R133-Pad2): R133.2 U39.4
Net-(R134-Pad2): R134.2 U39.6
Net-(R135-Pad2): R135.2 U40.4
Net-(R136-Pad2): R136.2 U40.6
Net-(R137-Pad2): R137.2 U41.4
Net-(R138-Pad2): R138.2 U41.6
Net-(R139-Pad2): R139.2 U42.4
Net-(R140-Pad2): R140.2 U42.6
Net-(R141-Pad2): R141.2 U43.4
Net-(R142-Pad2): R142.2 U43.6
Net-(R143-Pad2): R143.2 U44.4
Net-(R144-Pad2): R144.2 U44.6
Net-(R145-Pad2): R145.2 U45.4
Net-(R146-Pad2): R146.2 U45.6
Net-(R147-Pad2): R147.2 U46.4
Net-(R148-Pad2): R148.2 U46.6
Net-(R149-Pad2): R149.2 U47.4
Net-(R150-Pad2): R150.2 U47.6
Net-(R151-Pad2): R151.2 U48.4
Net-(R152-Pad2): R152.2 U48.6
Net-(R153-Pad2): R153.2 U49.4
Net-(R154-Pad2): R154.2 U49.6
Net-(R155-Pad2): R155.2 U50.4
Net-(R156-Pad2): R156.2 U50.6
Net-(R157-Pad2): R157.2 U51.4
Net-(R158-Pad2): R158.2 U51.6
Net-(R159-Pad2): R159.2 U52.4
Net-(R160-Pad2): R160.2 U52.6
Net-(R161-Pad2): R161.2 U53.4
Net-(R162-Pad2): R162.2 U53.6
Net-(R163-Pad2): R163.2 U54.4
Net-(R164-Pad2): R164.2 U54.6
Net-(R165-Pad2): R165.2 U55.4
Net-(R166-Pad2): R166.2 U55.6
Net-(R167-Pad2): R167.2 U56.4
Net-(R168-Pad2): R168.2 U56.6
Net-(R169-Pad2): R169.2 U57.4
Net-(R170-Pad2): R170.2 U57.6
Net-(R171-Pad2): R171.2 U58.4
Net-(R172-Pad2): R172.2 U58.6
Net-(R173-Pad2): R173.2 U59.4
Net-(R174-Pad2): R174.2 U59.6
Net-(R175-Pad2): R175.2 U60.4
Net-(R176-Pad2): R176.2 U60.6
Net-(R177-Pad2): R177.2 U61.4
Net-(R178-Pad2): R178.2 U61.6
Net-(R179-Pad2): R179.2 U62.4
Net-(R180-Pad2): R180.2 U62.6
Net-(R181-Pad2): R181.2 U63.4
Net-(R182-Pad2): R182.2 U63.6
Net-(R183-Pad2): R183.2 U64.4
Net-(R184-Pad2): R184.2 U64.6
Net-(R185-Pad2): R185.2 U65.4
Net-(R186-Pad2): R186.2 U65.6
Net-(R187-Pad2): R187.2 U66.4
Net-(R188-Pad2): R188.2 U66.6
Net-(R189-Pad2): R189.2 U67.4
Net-(R190-Pad2): R190.2 U67.6
Net-(R191-Pad2): R191.2 U68.4
Net-(R192-Pad2): R192.2 U68.6
Net-(R193-Pad2): R193.2 U69.4
Net-(R194-Pad2): R194.2 U69.6
Net-(R195-Pad2): R195.2 U70.4
Net-(R196-Pad2): R196.2 U70.6
Net-(R197-Pad2): R197.2 U71.4
Net-(R198-Pad2): R198.2 U71.6
Net-(R199-Pad2): R199.2 U72.4
Net-(R200-Pad2): R200.2 U72.6
Net-(R201-Pad2): R201.2 U73.4
Net-(R202-Pad2): R202.2 U73.6
Net-(R203-Pad2): R203.2 U74.4
Net-(R204-Pad2): R204.2 U74.6
Net-(R205-Pad2): R205.2 U75.4
Net-(R206-Pad2): R206.2 U75.6
Net-(R207-Pad2): R207.2 U76.4
Net-(R208-Pad2): R208.2 U76.6
Net-(R209-Pad2): R209.2 U77.4
Net-(R210-Pad2): R210.2 U77.6
Net-(R211-Pad2): R211.2 U78.4
Net-(R212-Pad2): R212.2 U78.6
Net-(R213-Pad2): R213.2 U79.4
Net-(R214-Pad2): R214.2 U79.6
Net-(R215-Pad2): R215.2 U80.4
Net-(R216-Pad2): R216.2 U80.6
Net-(R217-Pad2): R217.2 U81.4
Net-(R218-Pad2): R218.2 U81.6
Net-(R219-Pad2): R219.2 U82.4
Net-(R220-Pad2): R220.2 U82.6
Net-(R221-Pad2): R221.2 U83.4
Net-(R222-Pad2): R222.2 U83.6
Net-(U3-A1): U3.1 U3.3 U3.5 U3.7 U3.8 U3.9 U15.4
Net-(U3-B1): R39.2 U3.20
Net-(U3-B2): R40.2 U3.18
Net-(U3-B4): R41.2 U3.16
Net-(U3-B6): R42.2 U3.14
Net-(U3-B7): R43.2 U3.13
Net-(U3-B8): R44.2 U3.12
Net-(U4-A1): U4.1 U4.3 U4.5 U4.7 U4.8 U4.9 U16.4
Net-(U4-B1): R45.2 U4.20
Net-(U4-B2): R46.2 U4.18
Net-(U4-B4): R47.2 U4.16
Net-(U4-B6): R48.2 U4.14
Net-(U4-B7): R49.2 U4.13
Net-(U4-B8): R50.2 U4.12
Net-(U5-A1): U5.1 U5.3 U5.5 U5.7 U5.8 U5.9 U17.4
Net-(U5-B1): R51.2 U5.20
Net-(U5-B2): R52.2 U5.18
Net-(U5-B4): R53.2 U5.16
Net-(U5-B6): R54.2 U5.14
Net-(U5-B7): R55.2 U5.13
Net-(U5-B8): R56.2 U5.12
Net-(U6-A1): U6.1 U6.3 U6.5 U6.7 U6.8 U6.9 U18.4
Net-(U6-B1): R57.2 U6.20
Net-(U6-B2): R58.2 U6.18
Net-(U6-B4): R59.2 U6.16
Net-(U6-B6): R60.2 U6.14
Net-(U6-B7): R61.2 U6.13
Net-(U6-B8): R62.2 U6.12
Net-(U7-A1): U7.1 U7.3 U19.6
Net-(U7-A3): U7.4 U7.5 U19.4
Net-(U7-A5): U7.6 U7.7 U20.6
Net-(U7-A7): U7.8 U7.9 U20.4
Net-(U7-B1): R69.2 U7.20
Net-(U7-B2): R63.2 U7.18
Net-(U7-B3): R64.2 U7.17
Net-(U7-B4): R65.2 U7.16
Net-(U7-B5): R66.2 U7.15
Net-(U7-B6): R67.2 U7.14
Net-(U7-B7): R68.2 U7.13
Net-(U7-B8): R70.2 U7.12
Net-(U8-A1): U8.1 U8.3 U22.6
Net-(U8-A3): U8.4 U8.5 U22.4
Net-(U8-A5): U8.6 U8.7 U21.6
Net-(U8-A7): U8.8 U8.9 U21.4
Net-(U8-B1): R71.2 U8.20
Net-(U8-B2): R72.2 U8.18
Net-(U8-B3): R73.2 U8.17
Net-(U8-B4): R74.2 U8.16
Net-(U8-B5): R75.2 U8.15
Net-(U8-B6): R76.2 U8.14
Net-(U8-B7): R77.2 U8.13
Net-(U8-B8): R78.2 U8.12
Net-(U9-A1): U9.1 U9.3 U23.6
Net-(U9-A3): U9.4 U9.5 U23.4
Net-(U9-A5): U9.6 U9.7 U24.6
Net-(U9-A7): U9.8 U9.9 U24.4
Net-(U9-B1): R79.2 U9.20
Net-(U9-B2): R80.2 U9.18
Net-(U9-B3): R81.2 U9.17
Net-(U9-B4): R82.2 U9.16
Net-(U9-B5): R83.2 U9.15
Net-(U9-B6): R84.2 U9.14
Net-(U9-B7): R85.2 U9.13
Net-(U9-B8): R86.2 U9.12
Net-(U10-A1): U10.1 U10.3 U26.6
Net-(U10-A3): U10.4 U10.5 U26.4
Net-(U10-A5): U10.6 U10.7 U25.6
Net-(U10-A7): U10.8 U10.9 U25.4
Net-(U10-B1): R87.2 U10.20
Net-(U10-B2): R88.2 U10.18
Net-(U10-B3): R89.2 U10.17
Net-(U10-B4): R90.2 U10.16
Net-(U10-B5): R91.2 U10.15
Net-(U10-B6): R92.2 U10.14
Net-(U10-B7): R93.2 U10.13
Net-(U10-B8): R94.2 U10.12
Net-(U11-A1): U11.1 U11.3 U27.6
Net-(U11-A3): U11.4 U11.5 U27.4
Net-(U11-A5): U11.6 U11.7 U28.6
Net-(U11-A7): U11.8 U11.9 U28.4
Net-(U11-B1): R95.2 U11.20
Net-(U11-B2): R96.2 U11.18
Net-(U11-B3): R97.2 U11.17
Net-(U11-B4): R98.2 U11.16
Net-(U11-B5): R99.2 U11.15
Net-(U11-B6): R100.2 U11.14
Net-(U11-B7): R101.2 U11.13
Net-(U11-B8): R102.2 U11.12
Net-(U12-A1): U12.1 U12.3 U29.6
Net-(U12-A3): U12.4 U12.5 U29.4
Net-(U12-A5): U12.6 U12.7 U30.6
Net-(U12-A7): U12.8 U12.9 U30.4
Net-(U12-B1): R103.2 U12.20
Net-(U12-B2): R104.2 U12.18
Net-(U12-B3): R105.2 U12.17
Net-(U12-B4): R106.2 U12.16
Net-(U12-B5): R107.2 U12.15
Net-(U12-B6): R108.2 U12.14
Net-(U12-B7): R109.2 U12.13
Net-(U12-B8): R110.2 U12.12
Net-(U13-A1): U13.1 U13.3 U31.6
Net-(U13-A3): U13.4 U13.5 U31.4
Net-(U13-A5): U13.6 U13.7 U32.6
Net-(U13-A7): U13.8 U13.9 U32.4
Net-(U13-B1): R111.2 U13.20
Net-(U13-B2): R112.2 U13.18
Net-(U13-B3): R113.2 U13.17
Net-(U13-B4): R114.2 U13.16
Net-(U13-B5): R115.2 U13.15
Net-(U13-B6): R116.2 U13.14
Net-(U13-B7): R117.2 U13.13
Net-(U13-B8): R118.2 U13.12
Net-(U14-A1): U14.1 U14.3 U33.6
Net-(U14-A3): U14.4 U14.5 U33.4
Net-(U14-A5): U14.6 U34.6
Net-(U14-A6): U14.7 U34.4
Net-(U14-A7): R125.2 U14.8
Net-(U14-A8): R126.2 U14.9
Net-(U14-B1): R119.2 U14.20
Net-(U14-B2): R120.2 U14.18
Net-(U14-B3): R121.2 U14.17
Net-(U14-B4): R122.2 U14.16
Net-(U14-B5): R123.2 U14.15
Net-(U14-B6): R124.2 U14.14
Net-(U14-B7): U14.13 U35.4
Net-(U14-B8): U14.12 U35.6

Pads without a net: J2 MP; J3 MP; P1 12 13 14; P2 12 13 14; P3 12 13 14; P4 12 13 14; P5 12 13 14; P6 12 13 14; P7 12 13 14; P8 12 13 14; P9 12 13 14; P10 12 13 14; P11 12 13 14; P12 12 13 14; U1 48; U3 4 6 15 17; U4 4 6 15 17; U5 4 6 15 17; U6 4 6 15 17; U15 1; U16 1; U17 1; U18 1

## Via types
v1: diameter 0.6, hole 0.3, Top to Bottom, 502 vias
v2: diameter 1.65, hole 0.8, Top to Bottom, 24 vias

## Routing (per net, layer and track width the routed paths; a pad name or vN(x,y) marks a point on that pad's centre or on a via; arc(x,y) is an arc through that point)
+3.3V: length 135.4
  Top w0.2: v1(187.6,34.7) 187.83,34.7 188.1,34.43 U2.5 ; C41.1 42.11,8.65 U30.5 42.79,8.64 43.26,8.17 v1(43.26,6.91) 43.26,5.41 42.96,5.12 U29.5 40.65,5.12 ; C4.1 204.83,46.48 204.85,46.46 ; v1(224.64,95.66) 224.65,95.65 U7.10 ; v1(13.49,71.45) 13.49,71.45 U14.10 ; 209.75,48.2 209.75,49.65 v1(209.75,49.66) ; v1(140.11,7.21) 140.46,6.86 140.46,6.32 ; v1(221.84,138.2) 221.86,138.22 J3.2 ; 40.44,23.77 41.86,23.77 U31.5 42.76,23.76 43,24 v1(43,25.5) 43,27.05 42.81,27.24 U32.5 41.86,27.23 C43.1 ; v1(33.86,28.93) 33.87,28.94 U13.10 ; 158.26,10.44 157.05,10.44 v1(157.02,10.41) ; v1(34.06,5.14) 35.21,5.14 35.22,5.15 36.72,5.15 ; v1(218.31,66.09) 218.31,63.33 218.3,63.32 ; U15.5 160.5,7.25 v1(160.07,7.67) ; v1(117.04,5.22) U6.2 119.72,5.22 C29.1 120,5.5 120,4.48 ; 218.29,57.85 U22.5 ; U22.5 218.29,56.9 218.46,56.72 v1(220.09,56.72) 221.54,56.72 221.89,57.07 221.89,57.87 221.87,57.89 C33.1 ; U22.5 218.3,57.87 C32.1 ; C45.1 11.79,62.73 U34.5 11.8,61.86 11.58,61.65 11.58,62.14 11.04,61.6 v1(10.08,61.6) 8.56,61.6 8.31,61.84 U33.5 8.28,62.73 C44.1 ; v1(8.28,71.32) 8.29,71.31 U14.2 8.29,68.59 8.28,68.58 ; U9.10 13.57,42.09 v1(13.59,42.11) ; 92.19,5.13 92.19,5.12 89.35,5.12 v1(89.31,5.08) ; U6.10 116.9,10.42 v1(116.89,10.41) ; v1(223.52,66.29) 223.51,66.29 223.51,64.9 ; U12.10 33.83,10.34 v1(33.83,10.34) ; C31.1 223.04,87.48 223.03,87.47 223.03,86.66 222.76,86.39 v1(221.26,86.39) 219.69,86.39 219.4,86.67 U19.5 219.44,87.51 C30.1 ; C34.1 8.36,33.78 U23.5 8.37,33.14 8.76,32.74 v1(10.13,32.74) 10.16,32.77 11.63,32.77 11.9,33.03 U24.5 11.91,33.79 C35.1 ; v1(156.97,5.23) 156.98,5.24 U3.2 159.27,5.24 159.54,5.51 C26.1 160.01,4.5 C2.1 ; C38.1 69.6,5.18 69.64,5.15 70.53,5.15 70.79,5.41 v1(70.79,6.93) 70.79,8.25 70.32,8.72 U28.5 69.64,8.71 C39.1 ; U10.10 89.31,10.32 v1(89.31,10.31) ; v1(33.99,23.72) 34.01,23.74 36.69,23.74 C22.1 ; C36.1 97.61,8.68 97.62,8.66 98.29,8.66 98.73,8.22 v1(98.73,6.91) 98.73,5.61 98.24,5.12 U26.5 97.6,5.11 96.22,5.11 ; C1.1 188.79,31.99 v1(188.82,31.95) ; v1(8.36,42.16) 8.37,42.15 U9.2 8.37,39.32 C14.1 ; v1(15.7,82.4) 14.46,82.4 13.99,81.93 U35.5 13.99,79.79 C46.1 ; 138.28,10.44 137.09,10.44 v1(137.06,10.41) ; 204.85,46.46 204.85,47.02 204.55,47.32 204.55,48.2 ; 204.85,46.46 205.71,46.46 206.2,45.98 U16.5 207.11,45.98 v1(207.14,45.95) ; J2.2 v1(221.87,129.21) ; C6.1 140,4.01 140,5 139.63,5 139.38,5.24 137.12,5.24 v1(137.11,5.23) ; C18.1 63.85,5.2 63.83,5.18 63.7,5.18 63.69,5.17 v1(61.59,5.17) ; v1(120.24,7.77) 120.47,7.54 120.47,6.87 ; 62.83,10.37 61.53,10.37 v1(61.52,10.36) ; v1(219.46,95.61) 219.45,95.6 219.45,92.71 C10.1
